# KiCad board aquarius-plus.kicad_pcb (continued)
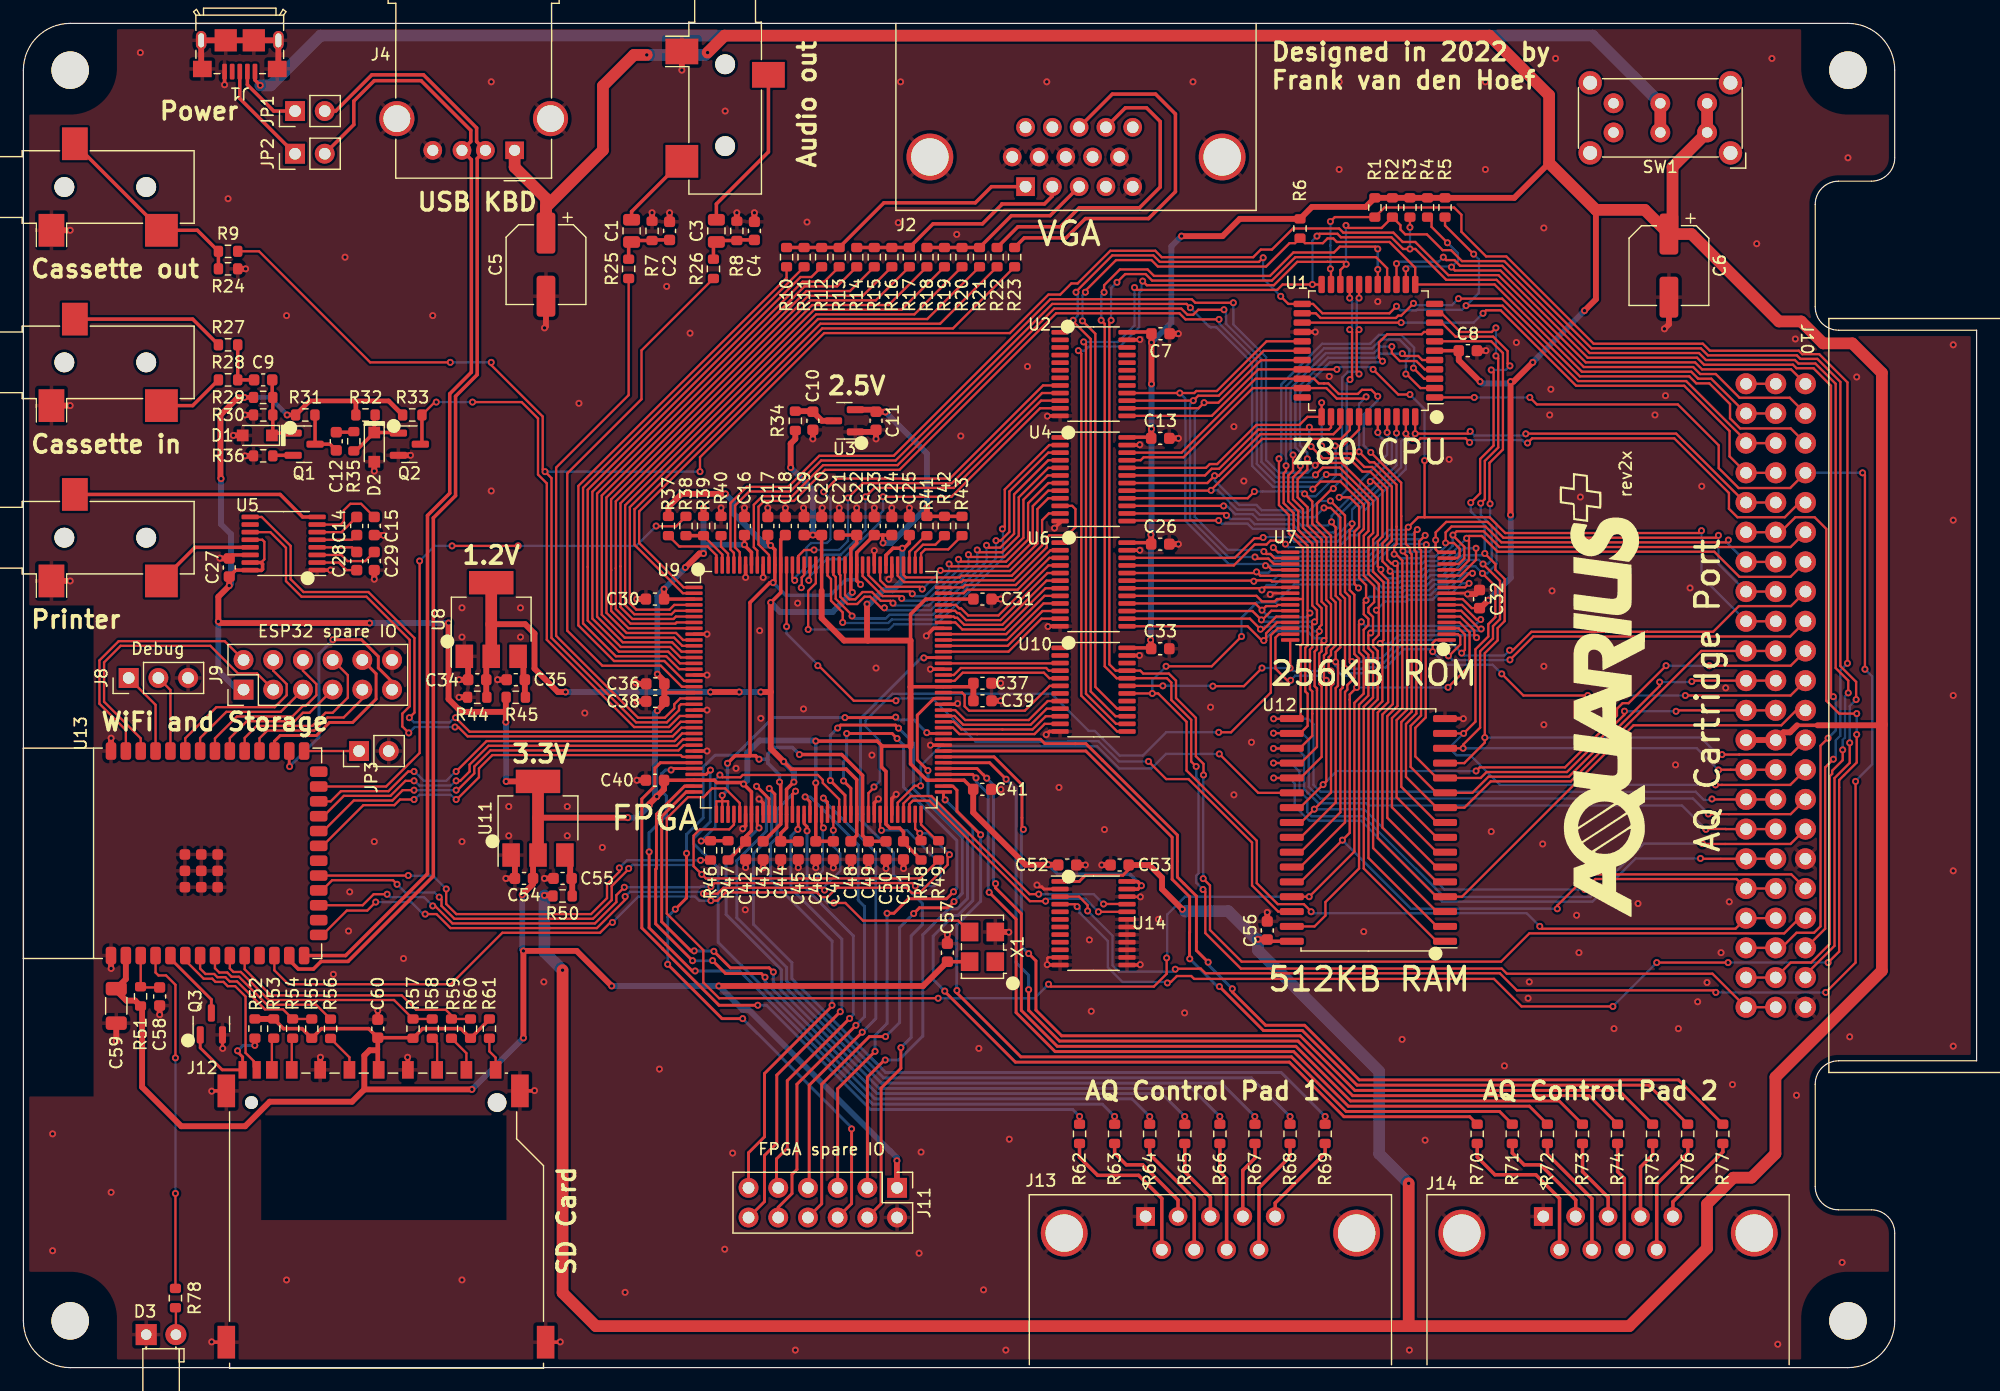
[diagram p0: board, top side]
## Routing (per net, layer and track width the routed paths; a pad name or vN(x,y) marks a point on that pad's centre or on a via; arc(x,y) is an arc through that point) (continued)
Net-(U9-CCLK): length 2.8
  Top w0.2: 78.12,45.08 76.75,46.45 U9.72
Net-(U9-HSWAP_EN): length 2.8
  Top w0.2: R40.1 59.65,70.23 60.25,69.63 U9.142
Net-(U9-PROG_B): length 4.7
  Top w0.2: 58.14,71.17 59.75,69.57 U9.143
  Top w0.3: R38.2 R39.1
Net-(U9-TCK): length 4.2
  Top w0.2: R42.1 77.97,70.4 76.92,70.4 76.25,69.73 U9.110
Net-(U9-TDI): length 5.6
  Top w0.2: U9.144 59.25,69.5 58.5,70.25 56.08,70.25 R37.1
Net-(U9-TDO): length 5.1
  Top w0.2: R43.1 79.08,70 77.1,70 76.75,69.65 U9.109
Net-(U9-TMS): length 3.1
  Top w0.2: 77.12,71.17 75.75,69.8 U9.111
Net-(U11-VI): length 2.8
  Top w0.5: 46.92,40.4 46.92,41.8 ; 46.75,43.4 46.75,41.97
Net-(U13-EN): length 4.3
  Top w0.2: C58.1 10.08,32.53 R51.2 10.03,32.6 U13.3
unconnected-(J10-Pin_1-Pad1): length 2.5
  Top w0.2: J10.1 149.82,84.17

## Copper pours and planes (outline as drawn; the poured copper is in the pictures)
GND on Top, Bottom: 156,8.2 155.8,8.2 155.41,8.16 155.03,8.08 154.65,7.97 154.29,7.82 153.94,7.63 153.62,7.41 153.31,7.17 153.03,6.89 152.79,6.58 152.57,6.26 152.38,5.91 152.23,5.55 152.12,5.17 152.04,4.79 152,4.4 152,4.2 152,0.7 8,0.7 8,4.2 8,4.4 7.96,4.79 7.88,5.17 7.77,5.55 7.62,5.91 7.43,6.26 7.21,6.58 6.97,6.89 6.69,7.17 6.38,7.41 6.06,7.63 5.71,7.82 5.35,7.97 4.97,8.08 4.59,8.16 4.2,8.2 4,8.2 0.5,8.2 0.5,23.2 6,23.2 6,65.2 0.5,65.2 0.5,107.2 4,107.2 4.2,107.2 4.59,107.24 4.97,107.32 5.35,107.43 5.71,107.58 6.06,107.77 6.38,107.99 6.69,108.23 6.97,108.51 7.21,108.82 7.43,109.14 7.62,109.49 7.77,109.85 7.88,110.23 7.96,110.61 8,111 8,111.2 8,114.7 152,114.7 152,111.2 152,111 152.04,110.61 152.12,110.23 152.23,109.85 152.38,109.49 152.57,109.14 152.79,108.82 153.03,108.51 153.31,108.23 153.62,107.99 153.94,107.77 154.29,107.58 154.65,107.43 155.03,107.32 155.41,107.24 155.8,107.2 156,107.2 159.5,107.2 159.5,89.3 166.6,89.3 166.6,25.7 159.5,25.7 159.5,8.2

## Text on the board
F.Silkscreen: Debug | ESP32 spare IO | FPGA spare IO | rev2x | Cassette out | Cassette in | Printer | WiFi and Storage | Power | USB KBD | Designed in 2022 by / Frank van den Hoef | 1.2V | 3.3V | 2.5V | AQ Control Pad 1 | AQ Control Pad 2 | SD Card | Audio out | FPGA | VGA | 512KB RAM | Z80 CPU | 256KB ROM | AQ Cartridge Port
